# Altium PCB EPS.PcbDoc (part 3 of 10)
Units mm, origin at the board's own origin, x right, y up, seen from the top; angles counter-clockwise.
Board outline 90.25 x 93.64 mm, 8 copper layers (Top Layer, PGND, Power, Control Signals 1, Control Signals 2, Signal 1, Signal 2, Bottom Layer), stack 1.637 mm thick; 953 components, 561 nets, 2718 pads, 883 vias.
Unrouted connection lines stored in the file: 2.
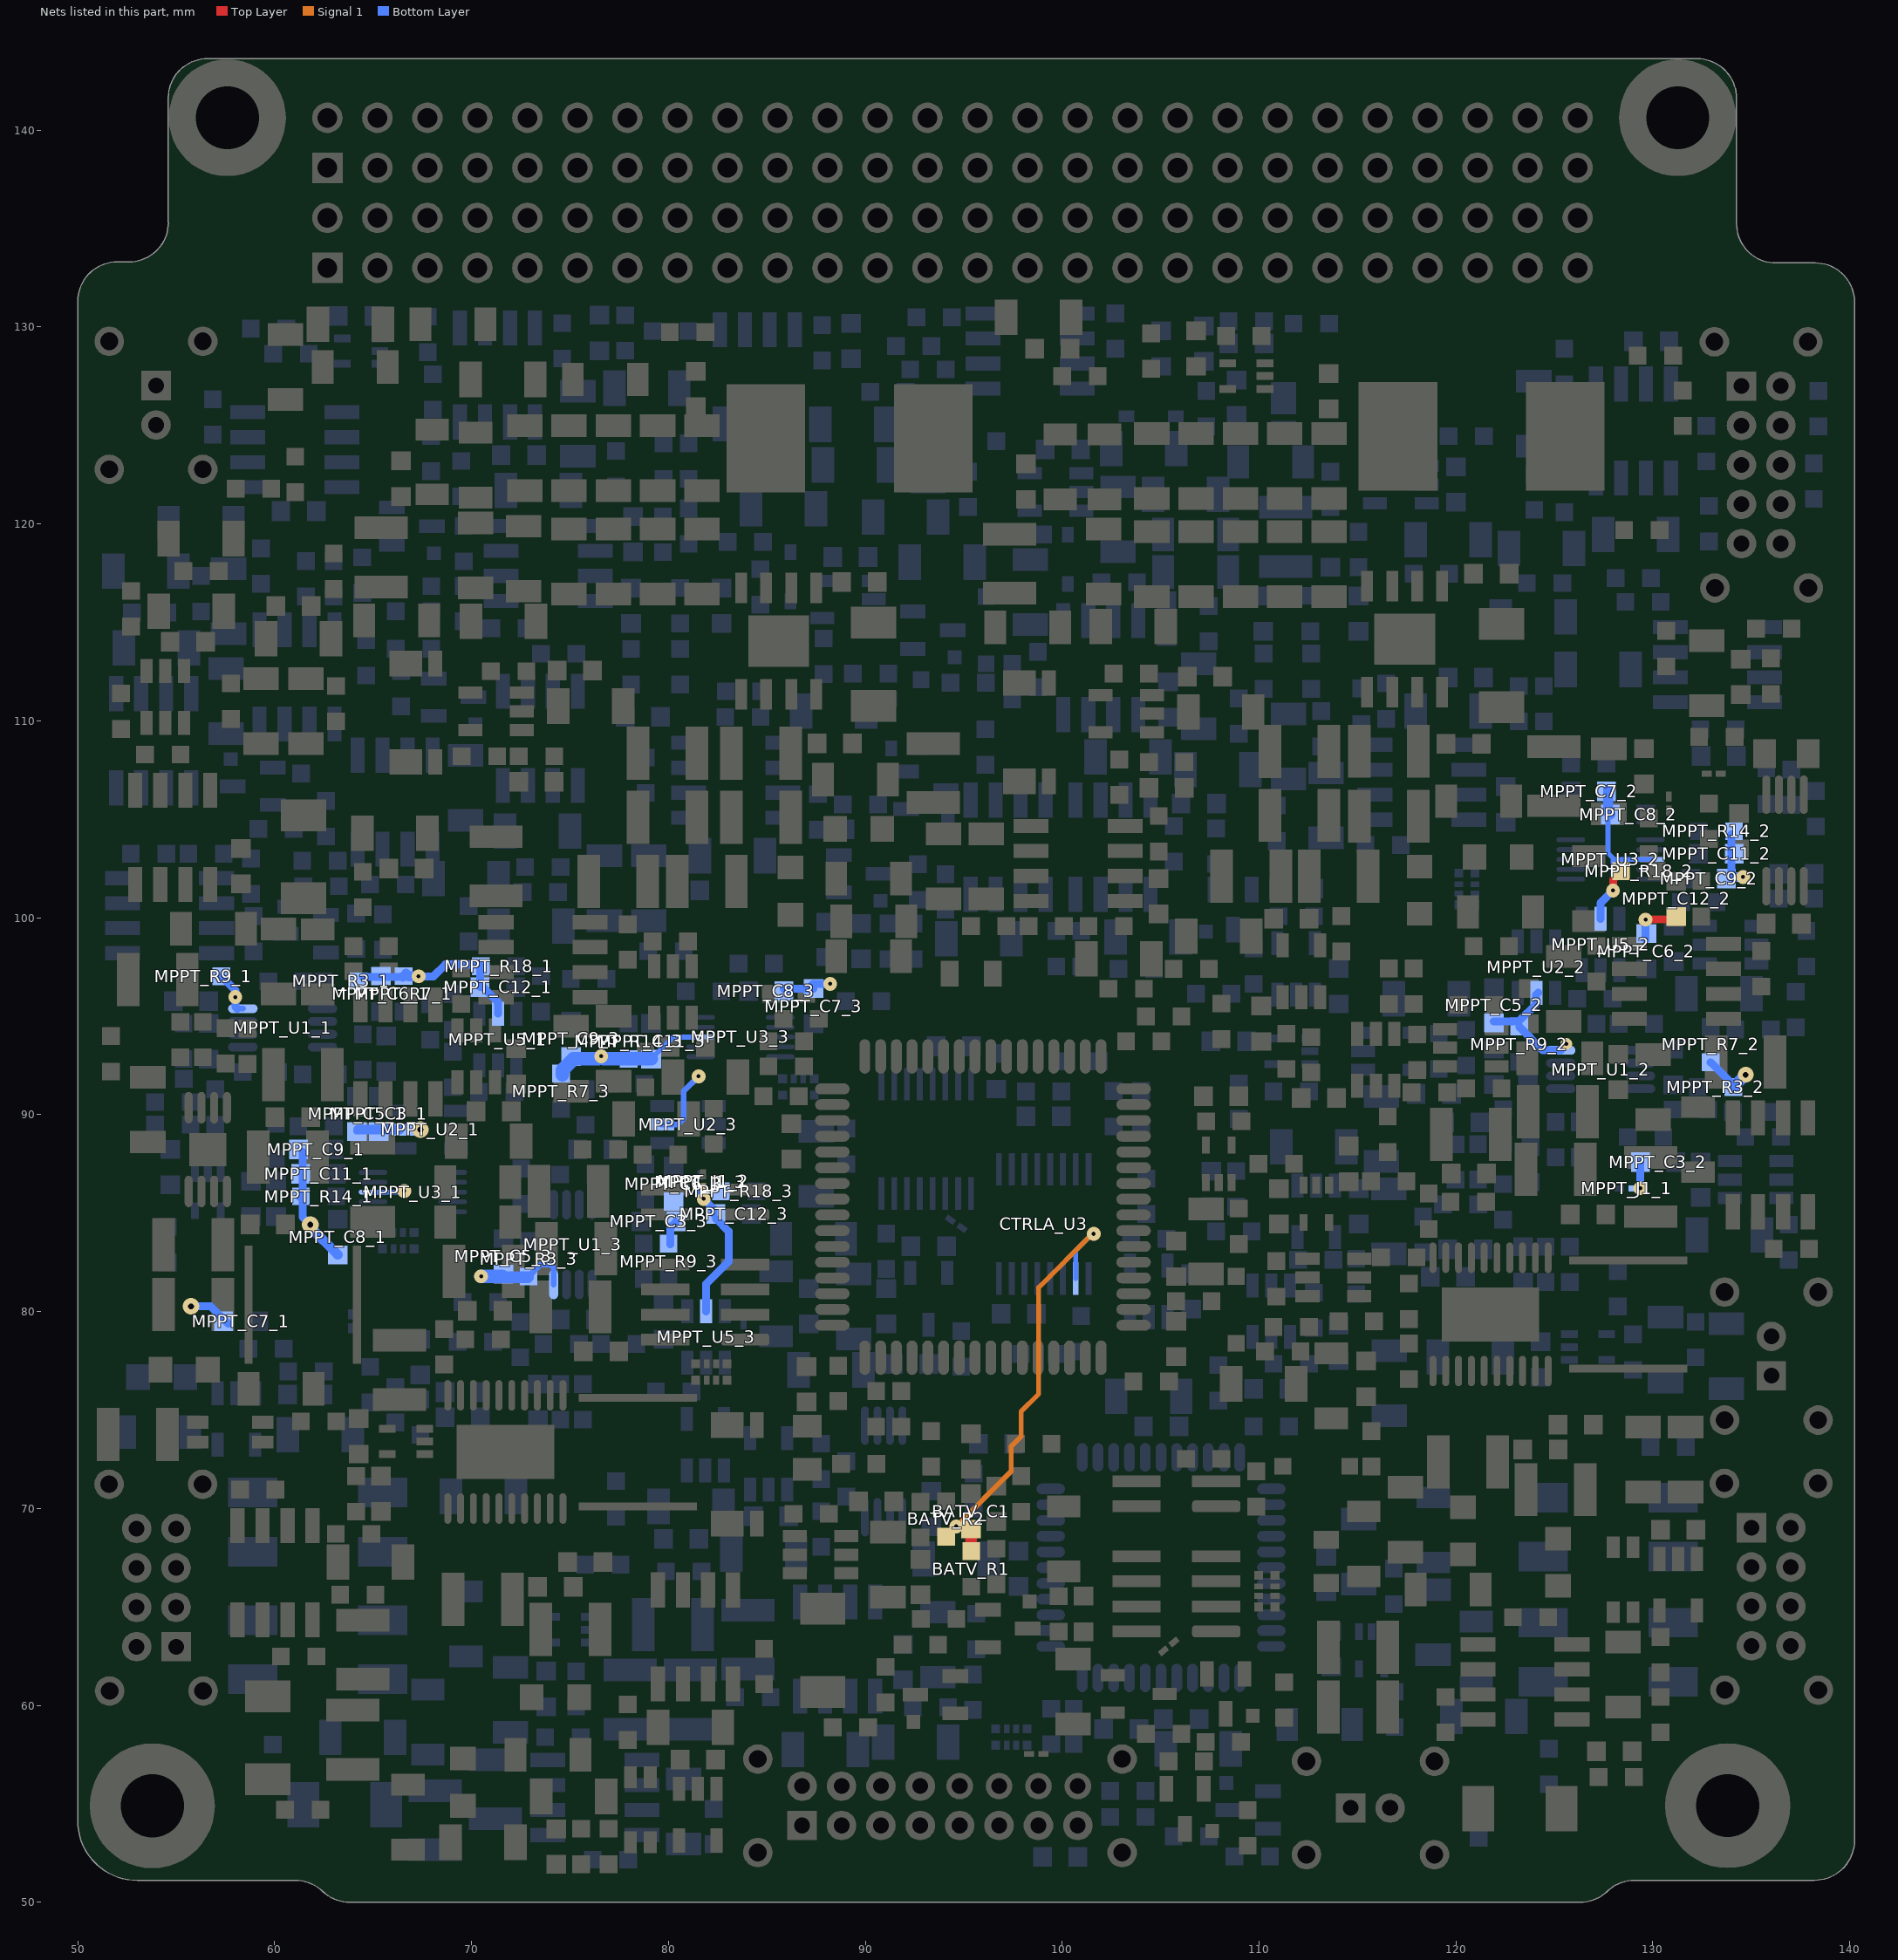
[diagram p9: the nets of this part, all layers, seen from the top]

## Components (designator, comment, footprint, x,y, rotation, side; value= is the part's Value field where it differs from the comment) (continued)
SUMPBY_C2_2 "100n/50V" SMD_Capacitor_0603 72.263,92.456 r270 top (schematic designator SUMPBY_C2)
SUMPBY_C3_1 "10u/16V" SMD_Capacitor_1206 133.731,77.724 r90 bottom (schematic designator SUMPBY_C3)
SUMPBY_C3_2 "10u/16V" SMD_Capacitor_1206 77.216,93.345 r270 top (schematic designator SUMPBY_C3)
SUMPBY_C4_1 "10u/16V" SMD_Capacitor_1206 130.645,78.067 r270 bottom (schematic designator SUMPBY_C4)
SUMPBY_C4_2 "10u/16V" SMD_Capacitor_1206 79.375,89.789 r0 top (schematic designator SUMPBY_C4)
SUMPBY_C5_1 "1u/25V" SMD_Capacitor_1206 133.883,83.896 r0 bottom (schematic designator SUMPBY_C5)
SUMPBY_C5_2 "1u/25V" SMD_Capacitor_1206 81.877,91.91 r0 top (schematic designator SUMPBY_C5)
SUMPBY_C6_1 "100n/50V" SMD_Capacitor_0603 132.423,86.703 r90 bottom (schematic designator SUMPBY_C6)
SUMPBY_C6_2 "100n/50V" SMD_Capacitor_0603 80.988,93.434 r0 top (schematic designator SUMPBY_C6)
SUMPBY_C7_1 "10u/25V" SMD_Capacitor_1210 134.709,92.672 r0 top (schematic designator SUMPBY_C7)
SUMPBY_C7_2 "10u/25V" SMD_Capacitor_1210 71.247,102.616 r90 top (schematic designator SUMPBY_C7)
SUMPBY_Q1_1 "IRF7416" SOIC-8-N_SSSGDDDD 131.191,96.774 r180 top (schematic designator SUMPBY_Q1)
SUMPBY_Q1_2 "IRF7416" SOIC-8-N_SSSGDDDD 66.256,93.18 r270 top (schematic designator SUMPBY_Q1)
SUMPBY_Q2_1 "IRF7416" SOIC-8-N_SSSGDDDD 135.979,87.465 r90 top (schematic designator SUMPBY_Q2)
SUMPBY_Q2_2 "IRF7416" SOIC-8-N_SSSGDDDD 73.622,97.879 r180 top (schematic designator SUMPBY_Q2)
SUMPBY_R1_1 "100k/1%" SMD_Resistor_0603 135.509,97.409 r90 top (schematic designator SUMPBY_R1)
SUMPBY_R1_2 "100k/1%" SMD_Resistor_0603 64.897,97.282 r180 top (schematic designator SUMPBY_R1)
SUMPBY_R2_1 "100k/1%" SMD_Resistor_0603 137.033,83.185 r0 top (schematic designator SUMPBY_R2)
SUMPBY_R2_2 "100k/1%" SMD_Resistor_0603 77.94,98.768 r90 top (schematic designator SUMPBY_R2)
SUMPBY_R3_1 "1M/1%" SMD_Resistor_0603 132.169,78.575 r90 bottom (schematic designator SUMPBY_R3)
SUMPBY_R3_2 "1M/1%" SMD_Resistor_0603 78.829,92.291 r270 top (schematic designator SUMPBY_R3)
SUMPBY_R4_1 "1k/1%" SMD_Resistor_0603 137.249,95.339 r270 bottom (schematic designator SUMPBY_R4)
SUMPBY_R4_2 "1k/1%" SMD_Resistor_0603 76.543,88.227 r0 top (schematic designator SUMPBY_R4)
SUMPBY_R5_1 "470k/1%" SMD_Resistor_0603 137.795,98.425 r90 bottom (schematic designator SUMPBY_R5)
SUMPBY_R5_2 "470k/1%" SMD_Resistor_0603 69.469,96.52 r270 top (schematic designator SUMPBY_R5)
SUMPBY_R6_1 "1k/1%" SMD_Resistor_0603 136.906,83.515 r270 bottom (schematic designator SUMPBY_R6)
SUMPBY_R6_2 "1k/1%" SMD_Resistor_0603 82.296,89.408 r270 top (schematic designator SUMPBY_R6)
SUMPBY_R7_1 "470k/1%" SMD_Resistor_0603 135.598,88.862 r0 bottom (schematic designator SUMPBY_R7)
SUMPBY_R7_2 "470k/1%" SMD_Resistor_0603 80.099,98.806 r0 top (schematic designator SUMPBY_R7)
SUMPBY_R8_1 "1M/1%" SMD_Resistor_0603 128.994,77.94 r270 bottom (schematic designator SUMPBY_R8)
SUMPBY_R8_2 "1M/1%" SMD_Resistor_0603 79.591,87.973 r0 top (schematic designator SUMPBY_R8)
SUMX_C1 "1u/25V" SMD_Capacitor_1206 64.859,67.272 r0 top
SUMX_C2 "10u/35V" SMD_Capacitor_1210 64.478,62.827 r90 top
SUMX_C3 "10u/35V" SMD_Capacitor_1210 63.97,58.255 r270 top
SUMX_D1 "STPS340U" DO-214AA 59.652,58.382 r270 top
SUMX_R1 "100k/1%" SMD_Resistor_0603 59.144,70.955 r0 top
SUMX_R2 "100k/1%" SMD_Resistor_0603 64.224,65.621 r180 top
SUMX_R3 "22k/1%" SMD_Resistor_0603 61.43,54.699 r0 top
SUMX_R4 "270k/1%" SMD_Resistor_0603 61.214,62.484 r0 top
SUMX_U1 "FPF2700MX" SOIC-8-N 60.033,66.764 r90 top
SUMY_C1_1 "1u/25V" SMD_Capacitor_1206 128.486,61.557 r270 top (schematic designator SUMY_C1)
SUMY_C1_2 "1u/25V" SMD_Capacitor_1206 80.772,54.61 r90 bottom (schematic designator SUMY_C1)
SUMY_C2_1 "10u/35V" SMD_Capacitor_1210 115.024,59.906 r180 top (schematic designator SUMY_C2)
SUMY_C2_2 "10u/35V" SMD_Capacitor_1210 71.209,55.739 r90 bottom (schematic designator SUMY_C2)
SUMY_C3_1 "10u/35V" SMD_Capacitor_1210 115.024,62.954 r180 top (schematic designator SUMY_C3)
SUMY_C3_2 "10u/35V" SMD_Capacitor_1210 68.161,54.167 r270 bottom (schematic designator SUMY_C3)
SUMY_D1_1 "STPS340U" DO-214AA 123.215,54.762 r0 top (schematic designator SUMY_D1)
SUMY_D1_2 "STPS340U" DO-214AA 63.589,54.953 r180 bottom (schematic designator SUMY_D1)
SUMY_R1_1 "100k/1%" SMD_Resistor_0603 130.391,62.573 r270 top (schematic designator SUMY_R1)
SUMY_R1_2 "100k/1%" SMD_Resistor_0603 82.296,53.848 r90 bottom (schematic designator SUMY_R1)
SUMY_R2_1 "100k/1%" SMD_Resistor_0603 123.787,64.478 r180 top (schematic designator SUMY_R2)
SUMY_R2_2 "100k/1%" SMD_Resistor_0603 77.051,52.159 r180 bottom (schematic designator SUMY_R2)
SUMY_R3_1 "22k/1%" SMD_Resistor_0603 124.714,56.896 r90 bottom (schematic designator SUMY_R3)
SUMY_R3_2 "22k/1%" SMD_Resistor_0603 59.906,57.112 r90 bottom (schematic designator SUMY_R3)
SUMY_R4_1 "270k/1%" SMD_Resistor_0603 119.469,59.525 r270 top (schematic designator SUMY_R4)
SUMY_R4_2 "270k/1%" SMD_Resistor_0603 74.638,58.382 r180 bottom (schematic designator SUMY_R4)
SUMY_U1_1 "FPF2700MX" SOIC-8-N 123.533,61.176 r0 top (schematic designator SUMY_U1)
SUMY_U1_2 "FPF2700MX" SOIC-8-N 76.289,55.334 r0 bottom (schematic designator SUMY_U1)
SUPP_C1_1 "100n/50V" SMD_Capacitor_0603 129.54,107.696 r90 top (schematic designator SUPP_C1)
SUPP_C1_2 "100n/50V" SMD_Capacitor_0603 115.443,76.581 r90 top (schematic designator SUPP_C1)
SUPP_C2_1 "10u/16V" SMD_Capacitor_1206 127.762,106.934 r90 top (schematic designator SUPP_C2)
SUPP_C2_2 "10u/16V" SMD_Capacitor_1206 116.611,76.352 r90 bottom (schematic designator SUPP_C2)
SUPP_C3_1 "100n/50V" SMD_Capacitor_0603 113.03,90.856 r0 top (schematic designator SUPP_C3)
SUPP_C3_2 "100n/50V" SMD_Capacitor_0603 110.998,85.344 r270 top (schematic designator SUPP_C3)
SUPP_C4_1 "100n/50V" SMD_Capacitor_0603 114.046,96.52 r90 bottom (schematic designator SUPP_C4)
SUPP_C4_2 "100n/50V" SMD_Capacitor_0603 110.109,94.615 r270 top (schematic designator SUPP_C4)
SUPP_C5_1 "100n/50V" SMD_Capacitor_0603 123.698,95.504 r90 top (schematic designator SUPP_C5)
SUPP_C5_2 "100n/50V" SMD_Capacitor_0603 110.617,76.073 r0 bottom (schematic designator SUPP_C5)
SUPP_C6_1 "10u/16V" SMD_Capacitor_1206 125.476,96.393 r90 top (schematic designator SUPP_C6)
SUPP_C6_2 "10u/16V" SMD_Capacitor_1206 110.236,76.327 r0 top (schematic designator SUPP_C6)
SUPP_C7_1 "10u/16V" SMD_Capacitor_1206 118.491,95.885 r0 bottom (schematic designator SUPP_C7)
SUPP_C7_2 "10u/16V" SMD_Capacitor_1206 112.776,88.367 r0 bottom (schematic designator SUPP_C7)
SUPP_C8_1 "100n/50V" SMD_Capacitor_0603 111.887,101.473 r180 bottom (schematic designator SUPP_C8)
SUPP_C8_2 "100n/50V" SMD_Capacitor_0603 111.633,99.949 r180 top (schematic designator SUPP_C8)
SUPP_C9_1 "10u/16V" SMD_Capacitor_1206 116.205,89.281 r270 bottom (schematic designator SUPP_C9)
SUPP_C9_2 "10u/16V" SMD_Capacitor_1206 116.586,84.582 r90 bottom (schematic designator SUPP_C9)
SUPP_C10_1 "100n/50V" SMD_Capacitor_0603 118.872,91.059 r180 bottom (schematic designator SUPP_C10)
SUPP_C10_2 "100n/50V" SMD_Capacitor_0603 115.062,85.344 r90 bottom (schematic designator SUPP_C10)
SUPP_C11_1 "100n/50V" SMD_Capacitor_0603 121.92,92.431 r270 bottom (schematic designator SUPP_C11)
SUPP_C11_2 "100n/50V" SMD_Capacitor_0603 114.046,78.41 r90 bottom (schematic designator SUPP_C11)
SUPP_R1_1 "1k" SMD_Resistor_0603 121.412,91.338 r180 top (schematic designator SUPP_R1)
SUPP_R1_2 "1k" SMD_Resistor_0603 112.776,80.061 r90 bottom (schematic designator SUPP_R1)
SUPP_R2_1 "10R" SMD_Resistor_0603 127.127,97.663 r90 top (schematic designator SUPP_R2)
SUPP_R2_2 "10R" SMD_Resistor_0603 111.201,77.978 r0 top (schematic designator SUPP_R2)
SUPP_R4_1 "51R" SMD_Resistor_0603 107.696,96.139 r180 bottom (schematic designator SUPP_R4)
SUPP_R4_2 "51R" SMD_Resistor_0603 111.379,93.218 r270 top (schematic designator SUPP_R4)
SUPP_R5_1 "100k/1%" SMD_Resistor_0603 111.887,100.076 r180 bottom (schematic designator SUPP_R5)
SUPP_R5_2 "100k/1%" SMD_Resistor_0603 114.173,99.187 r270 top (schematic designator SUPP_R5)
SUPP_R6_1 "22k/1%" SMD_Resistor_0603 119.126,93.218 r90 bottom (schematic designator SUPP_R6)
SUPP_R6_2 "22k/1%" SMD_Resistor_0603 112.878,82.626 r0 bottom (schematic designator SUPP_R6)
SUPP_R7_1 "100R" SMD_Resistor_0603 112.649,93.04 r90 top (schematic designator SUPP_R7)
SUPP_R7_2 "100R" SMD_Resistor_0603 117.094,82.753 r180 top (schematic designator SUPP_R7)
SUPP_R8_1 "4.7k/1%" SMD_Resistor_0603 118.034,93.167 r270 top (schematic designator SUPP_R8)
SUPP_R8_2 "4.7k/1%" SMD_Resistor_0603 110.871,81.661 r270 top (schematic designator SUPP_R8)
SUPP_R9_1 "100k" SMD_Resistor_0603 118.643,91.135 r180 top (schematic designator SUPP_R9)
SUPP_R9_2 "100k" SMD_Resistor_0603 111.633,79.223 r180 top (schematic designator SUPP_R9)
SUPP_R10_1 "33k/1%" SMD_Resistor_0603 109.728,97.536 r270 bottom (schematic designator SUPP_R10)
SUPP_R10_2 "33k/1%" SMD_Resistor_0603 108.077,94.742 r270 top (schematic designator SUPP_R10)
SUPP_R11_1 "13k/1%" SMD_Resistor_0603 120.523,93.396 r90 bottom (schematic designator SUPP_R11)
SUPP_R11_2 "13k/1%" SMD_Resistor_0603 114.935,81.788 r270 bottom (schematic designator SUPP_R11)
SUPP_R12_1 "75k/1%" SMD_Resistor_0603 121.031,95.58 r180 top (schematic designator SUPP_R12)
SUPP_R12_2 "75k/1%" SMD_Resistor_0603 111.633,77.343 r0 bottom (schematic designator SUPP_R12)
SUPP_R13_1 "220R" SMD_Resistor_0603 116.586,96.52 r90 top (schematic designator SUPP_R13)
SUPP_R13_2 "220R" SMD_Resistor_0603 117.602,77.47 r270 top (schematic designator SUPP_R13)
SUPP_R14_1 "100R" SMD_Resistor_0603 116.535,89.002 r270 top (schematic designator SUPP_R14)
SUPP_R14_2 "100R" SMD_Resistor_0603 114.935,79.502 r0 top (schematic designator SUPP_R14)
SUPP_R15_1 "10k" SMD_Resistor_0603 117.856,96.52 r270 top (schematic designator SUPP_R15)
SUPP_R15_2 "10k" SMD_Resistor_0603 117.602,80.518 r270 top (schematic designator SUPP_R15)
SUPP_U1_1 "LT1761ES5-SD#TRMPBF" SOT23-5 111.887,97.409 r90 bottom (schematic designator SUPP_U1)
SUPP_U1_2 "LT1761ES5-SD#TRMPBF" SOT23-5 112.141,97.282 r90 top (schematic designator SUPP_U1)
SUPP_U2_1 "LT1761ES5-SD#TRMPBF" SOT23-5 116.586,93.218 r0 bottom (schematic designator SUPP_U2)
SUPP_U2_2 "LT1761ES5-SD#TRMPBF" SOT23-5 112.903,85.09 r270 bottom (schematic designator SUPP_U2)
SUPP_U3_1 "TPS2551DBVx" SOT23-6 120.752,93.396 r0 top (schematic designator SUPP_U3)
SUPP_U3_2 "TPS2551DBVx" SOT23-6 110.617,80.01 r270 bottom (schematic designator SUPP_U3)
SUPP_U4_1 "TPS3813xxxDBV" SOT23-6 115.926,92.786 r270 top (schematic designator SUPP_U4)
SUPP_U4_2 "TPS3813xxxDBV" SOT23-6 113.767,81.737 r180 top (schematic designator SUPP_U4)
TEMP_C1_1 "100n/50V" SMD_Capacitor_0603 64.135,130.556 r180 bottom (schematic designator TEMP_C1)
TEMP_C1_2 "100n/50V" SMD_Capacitor_0603 106.807,128.905 r90 top (schematic designator TEMP_C1)
TEMP_C1_3 "100n/50V" SMD_Capacitor_0603 73.787,60.833 r270 bottom (schematic designator TEMP_C1)
TEMP_C1_4 "100n/50V" SMD_Capacitor_0603 108.077,90.932 r0 top (schematic designator TEMP_C1)
TEMP_C1_5 "100n/50V" SMD_Capacitor_0603 113.665,62.865 r90 bottom (schematic designator TEMP_C1)
TEMP_C1_6 "100n/50V" SMD_Capacitor_0603 108.458,93.726 r180 bottom (schematic designator TEMP_C1)
TEMP_C1_7 "100n/50V" SMD_Capacitor_0603 114.554,87.503 r90 top (schematic designator TEMP_C1)
TEMP_R1 "100R/1%" SMD_Resistor_0603 104.521,128.778 r90 top
TEMP_R1_1 "470R/1%" SMD_Resistor_0603 60.833,128.651 r180 bottom (schematic designator TEMP_R1)
TEMP_R1_2 "470R/1%" SMD_Resistor_0603 109.22,129.54 r180 top (schematic designator TEMP_R1)
TEMP_R1_3 "470R/1%" SMD_Resistor_0603 94.869,78.105 r90 bottom (schematic designator TEMP_R1)
TEMP_R1_4 "470R/1%" SMD_Resistor_0603 108.966,84.328 r270 top (schematic designator TEMP_R1)
TEMP_R1_5 "470R/1%" SMD_Resistor_0603 116.84,66.04 r90 bottom (schematic designator TEMP_R1)
TEMP_R1_6 "470R/1%" SMD_Resistor_0603 111.633,91.186 r180 bottom (schematic designator TEMP_R1)
TEMP_R1_7 "470R/1%" SMD_Resistor_0603 110.871,87.503 r180 top (schematic designator TEMP_R1)
TEMP_R2 "100R/1%" SMD_Resistor_0603 75.311,60.833 r270 bottom
TEMP_R4 "100R/1%" SMD_Resistor_0603 59.69,129.921 r180 bottom
TEMP_R5_1 "100R/1%" SMD_Resistor_0603 108.966,90.678 r270 bottom (schematic designator TEMP_R5)
TEMP_R5_2 "100R/1%" SMD_Resistor_0603 116.586,86.614 r0 top (schematic designator TEMP_R5)
TEMP_U1_1 "LMT87" SC70-LT5_N 64.389,128.778 r180 bottom (schematic designator TEMP_U1)
TEMP_U1_2 "LMT87" SC70-LT5_N 109.347,127.508 r180 top (schematic designator TEMP_U1)
TEMP_U1_3 "LMT87" SC70-LT5_N 75.019,63.843 r180 bottom (schematic designator TEMP_U1)
TEMP_U1_4 "LMT87" SC70-LT5_N 107.95,87.503 r90 top (schematic designator TEMP_U1)
TEMP_U1_5 "LMT87" SC70-LT5_N 115.712,62.799 r270 bottom (schematic designator TEMP_U1)
TEMP_U1_6 "LMT87" SC70-LT5_N 111.633,93.218 r180 bottom (schematic designator TEMP_U1)
TEMP_U1_7 "LMT87" SC70-LT5_N 112.903,85.471 r270 top (schematic designator TEMP_U1)
U4 "ATmega128L-8Ax" 64A_N 95.974,85.306 r90 top

## Footprints (in the part's own frame and the unit in brackets; to place one, negate y for a bottom-side part, rotate by r counter-clockwise, add the part's x,y. Pads: shape width x height; smd on the part's side, far side on the other; paste and mask are expansions set on the pad)
2way_LP [mil] "2 way low power net tie junction"
  rrect5% 20x12 smd paste-100: 1(-14,0) 2(14,0)
64A_N [mm] "Thin QFP, 64-Leads, Body 14x14mm, Pitch 0.8mm, IPC Medium Density"
  oval 1.75x0.55 smd: 1(-7.65,6) 2(-7.65,5.2) 3(-7.65,4.4) 4(-7.65,3.6) 5(-7.65,2.8) 6(-7.65,2) 7(-7.65,1.2) 8(-7.65,0.4) 9(-7.65,-0.4) 10(-7.65,-1.2) 11(-7.65,-2) 12(-7.65,-2.8) 13(-7.65,-3.6) 14(-7.65,-4.4) 15(-7.65,-5.2) 16(-7.65,-6) 33(7.65,-6) 34(7.65,-5.2) 35(7.65,-4.4) 36(7.65,-3.6) 37(7.65,-2.8) 38(7.65,-2) 39(7.65,-1.2) 40(7.65,-0.4) 41(7.65,0.4) 42(7.65,1.2) 43(7.65,2) 44(7.65,2.8) 45(7.65,3.6) 46(7.65,4.4) 47(7.65,5.2) 48(7.65,6)
  oval 0.55x1.75 smd: 17(-6,-7.65) 18(-5.2,-7.65) 19(-4.4,-7.65) 20(-3.6,-7.65) 21(-2.8,-7.65) 22(-2,-7.65) 23(-1.2,-7.65) 24(-0.4,-7.65) 25(0.4,-7.65) 26(1.2,-7.65) 27(2,-7.65) 28(2.8,-7.65) 29(3.6,-7.65) 30(4.4,-7.65) 31(5.2,-7.65) 32(6,-7.65) 49(6,7.65) 50(5.2,7.65) 51(4.4,7.65) 52(3.6,7.65) 53(2.8,7.65) 54(2,7.65) 55(1.2,7.65) 56(0.4,7.65) 57(-0.4,7.65) 58(-1.2,7.65) 59(-2,7.65) 60(-2.8,7.65) 61(-3.6,7.65) 62(-4.4,7.65) 63(-5.2,7.65) 64(-6,7.65)
  silkscreen extent -7.77,-6.35 6.35,6.95, body extent -8.12,-8.12 8.12,8.12, height 1.35
1206 [mm] "SMD Inductor, Inch 1206, Metric 3216."
  rect 1.1x1.7 smd: 1(-1.65,0) 2(1.65,0)
  silkscreen extent -0.9,-0.85 0.9,0.85, body extent -1.6,-0.8 1.6,0.8, height 1.28
Coilcraft_MSS1260 [mm] "Coilcraft Shielded Power Inductors – MSS1260 Series."
  rect 5.5x4 smd: 1(0,4.25) 2(0,-4.25)
  silkscreen extent -6.2,-6.2 6.2,6.2, body extent -6.15,-6.15 6.15,6.15, height 6.15
Coilcraft_MSS6132 [mm] "Coilcraft Shielded Power Inductors – MSS6132 Series."
  rect 6x0.4 smd: 1(0,2.75) 2(0,-2.75)
  Top Layer region: 3,-1 2.185,-0.993 1.521,-1.856 0.544,-2.337 -0.544,-2.337 -1.521,-1.856 -2.185,-0.993 -2.185,-0.993 -3,-1 -3,-3 3,-3
  Top Layer region: -3,1 -2.185,0.993 -1.521,1.856 -0.544,2.337 0.544,2.337 1.521,1.856 2.185,0.993 2.185,0.993 3,1 3,3 -3,3
  silkscreen extent -3.25,-3.2 3.25,3.2, body extent -3,-2.97 3,3, height 3.2
Connfly_DS1031-04-2 [mm] "Connfly, male, 1.27mm, 2x2pin, SMT, vertical"
  rrect50% 0.6x2.45 smd: 1(0,0)
  rect 0.6x2.45 smd: 2(0,4.05) 3(1.27,0) 4(1.27,4.05)
  silkscreen extent -0.65,0.3 1.9,3.75, body extent -0.65,-0.75 1.89,4.75, height 4.47
Connfly_DS1031-08-2 [mm] "Connfly, male, 1.27mm, 2x4pin, SMT, vertical"
  rrect50% 0.6x2.45 smd: 1(0,0)
  rect 0.6x2.45 smd: 2(0,4.05) 3(1.27,0) 4(1.27,4.05) 5(2.54,0) 6(2.54,4.05) 7(3.81,0) 8(3.81,4.05)
  silkscreen extent -0.65,0.3 4.45,3.75, body extent -0.64,-0.75 4.44,4.75, height 4.47
DDA-9 [mm] "Created for TPS5430. 9-pin package with thermal pad."
  rect 1.55x0.6 smd: 1(-2.7,1.905) 2(-2.7,0.635) 3(-2.7,-0.635) 4(-2.7,-1.905) 5(2.7,-1.905) 6(2.7,-0.635) 7(2.7,0.635) 8(2.7,1.905)
  rect 2.6x3.1 smd: 9(0,0)
  silkscreen extent -1,-2.5 1,2.49, body extent -3.1,-2.5 3.1,2.5, height 1.58
DO-214AA [mm] "JEDEC standard. SMB."
  rect 1.62x2.3 smd: A(2.14,-0.01) K(-2.08,-0.01)
  silkscreen extent -2.75,-2 2.8,2, body extent -2.76,-1.98 2.82,1.96, height 2.65
Harwin_Datamate_L-Tek_M80-8531642 [mm] "Harwin Datamate L-Teck M80-8531642, 2mm pitch, 2x8pin."
  round 1.5 hole 0.9: 0(-2.25,-1.375) 0(-2.25,3.375) 0(16.25,3.375) 0(16.25,-1.375)
  rect 1.5x1.5 hole 0.8: 1(0,0)
  round 1.5 hole 0.8: 2(2,0) 3(4,0) 4(6,0) 5(8,0) 6(10,0) 7(12,0) 8(14,0) 9(0,2) 10(2,2) 11(4,2) 12(6,2)
  round 1.35 hole 0.8: 13(8,2) 14(10,2) 15(12,2) 16(14,2)
  silkscreen extent -2.9,-1.7 16.9,4, body extent -2.95,-1.78 16.95,4.07, height 8.3
Harwin_Datamate_L-Tek_M80-8670805 [mm] "Harwin Datamate L-Teck M80-8670805, 2mm pitch, 2x4pin."
  round 1.5 hole 0.9: 0(-2.25,3.375) 0(-2.25,-1.375) 0(8.25,-1.35) 0(8.25,3.4)
  rect 1.5x1.5 hole 0.8: 1(0,0)
  round 1.5 hole 0.8: 2(2,0) 3(4,0) 4(6,0) 5(0,2) 6(2,2) 7(4,2) 8(6,2)
  silkscreen extent -2.9,-1.7 8.9,4, body extent -2.95,-1.77 8.95,4.08, height 8.3
Harwin_Datamate_L-Tek_M80-8671005 [mm] "Harwin Datamate L-Teck M80-8671005, 2mm pitch, 2x5pin."
  round 1.5 hole 0.9: 0(-2.25,3.375) 0(-2.25,-1.375) 0(10.25,-1.35) 0(10.25,3.4)
  rect 1.5x1.5 hole 0.8: 1(0,0)
  round 1.5 hole 0.8: 2(2,0) 3(4,0) 4(6,0) 5(8,0) 6(0,2) 7(2,2) 8(4,2) 9(6,2) 10(8,2)
  silkscreen extent -2.9,-1.7 10.9,4, body extent -2.94,-1.78 10.96,4.07, height 8.3
Harwin_Datamate_L-Tek_M80-8770222 [mm] "Harwin Datamate L-Teck M80-8770222, 2mm pitch, 1x2pin."
  round 1.5 hole 0.9: 0(-2.25,-2.375) 0(-2.25,2.375) 0(4.25,-2.375) 0(4.25,2.375)
  rect 1.5x1.5 hole 0.8: 1(0,0)
  round 1.5 hole 0.8: 2(2,0)
  silkscreen extent -2.9,-2 4.9,2.2, body extent -2.95,-1.77 4.95,2.08, height 8.3
LCC1-4_BEC [mm] "Hermetic Leadless Chip Carrier Number 1, 4 Pads, Base-Emitter-Collector"
  rect 0.7x1.3 smd: B(-0.95,0.3) C(0,2.325) E(0.95,0.3)
  rect 0.7x0.7 smd: Shield(-1.375,2.425)
  silkscreen extent -1.58,0 1.58,2.65, body extent -1.53,0.05 1.53,2.6, height 1.4
LCC1-4_GSD [mm] "Hermetic Leadless Chip Carrier Number 1, 4 Pads, Gate-Source-Dren"
  rect 0.7x1.3 smd: D(0,2.325) G(-0.95,0.3) S(0.95,0.3)
  rect 0.7x0.7 smd: Shield(-1.375,2.425)
  silkscreen extent -1.58,0 1.58,2.65, body extent -1.53,0.05 1.52,2.6, height 1.4
LT-FE-20-EPV-CA_N [mm] "SOP, 20-Leads, Body 6.6x4.5mm, Pitch 0.65mm, Thermal Pad 4.95x2.74mm, IPC Medium Density"
  oval 1.55x0.35 smd: 1(-2.875,2.925) 2(-2.875,2.275) 3(-2.875,1.625) 4(-2.875,0.975) 5(-2.875,0.325) 6(-2.875,-0.325) 7(-2.875,-0.975) 8(-2.875,-1.625) 9(-2.875,-2.275) 10(-2.875,-2.925) 11(2.875,-2.925) 12(2.875,-2.275) 13(2.875,-1.625) 14(2.875,-0.975) 15(2.875,-0.325) 16(2.875,0.325) 17(2.875,0.975) 18(2.875,1.625) 19(2.875,2.275) 20(2.875,2.925)
  rect 2.74x4.95 smd: 21(0,0)
  silkscreen extent -3,-3.3 1.7,3.78, body extent -3.27,-3.3 3.27,3.3, height 1.2
LT-MS8E-8-1880X1680TP_N [mm] "SOP, 8-Leads, Body 3x3mm, Pitch 0.65mm, Thermal Pad 1.88x1.68mm, IPC Medium Density"
  oval 1.6x0.4 smd: 1(-2.125,0.975) 2(-2.125,0.325) 3(-2.125,-0.325) 4(-2.125,-0.975) 5(2.125,-0.975) 6(2.125,-0.325) 7(2.125,0.325) 8(2.125,0.975)
  rect 1.68x1.88 smd: 9(0,0)
  silkscreen extent -2.25,-1.55 0.92,1.85, body extent -2.45,-1.5 2.45,1.5, height 1.15
MSOP-8 [mm] "MSOP, 8-Leads, Body 3x3mm, Pitch 0.65mm, IPC High Density"
  oval 1.5x0.45 smd: 1(-2.025,0.975) 2(-2.025,0.325) 3(-2.025,-0.325) 4(-2.025,-0.975) 5(2.025,-0.975) 6(2.025,-0.325) 7(2.025,0.325) 8(2.025,0.975)
  silkscreen extent -2.15,-1.6 0.87,1.87, body extent -2.47,-1.55 2.47,1.55, height 1.1
MUB10A_L [mm] "TSSOP, 10-Leads, Body 3x3mm, Pitch 0.5mm, IPC High Density"
  oval 1.45x0.25 smd: 1(-2.025,1) 2(-2.025,0.5) 3(-2.025,0) 4(-2.025,-0.5) 5(-2.025,-1) 6(2.025,-1) 7(2.025,-0.5) 8(2.025,0) 9(2.025,0.5) 10(2.025,1)
  silkscreen extent -2.15,-1.55 0.9,1.8, body extent -2.5,-1.5 2.5,1.5, height 1.1
PC-104_PcbMntHole_M3#1 [mm] "PCB Mounting Hole for PC-104 standard. Based on Pumpkin's Kit."
  round 5.95 hole 3.2: 1(0,0)
PC-104_PcbMntHole_M3#2 [mm] "PCB Mounting Hole for PC-104 standard. Based on Pumpkin's Kit."
  round 6.35 hole 3.2: 1(0,0)
Samtec_ESQ-126-39-G-D [mm] "Samtec ESQ Series Header. ESQ-126-39-G-D. PC-104 Stack."
  rect 1.55x1.55 hole 1: 1(0,0)
  round 1.55 hole 1: 2(0,2.54) 3(2.54,0) 4(2.54,2.54) 5(5.08,0) 6(5.08,2.54) 7(7.62,0) 8(7.62,2.54) 9(10.16,0) 10(10.16,2.54) 11(12.7,0) 12(12.7,2.54) 13(15.24,0) 14(15.24,2.54) 15(17.78,0) 16(17.78,2.54) 17(20.32,0) 18(20.32,2.54) 19(22.86,0) 20(22.86,2.54) 21(25.4,0) 22(25.4,2.54) 23(27.94,0) 24(27.94,2.54) 25(30.48,0) 26(30.48,2.54) 27(33.02,0) 28(33.02,2.54) 29(35.56,0) 30(35.56,2.54) 31(38.1,0) 32(38.1,2.54) 33(40.64,0) 34(40.64,2.54) 35(43.18,0) 36(43.18,2.54) 37(45.72,0) 38(45.72,2.54) 39(48.26,0) 40(48.26,2.54) 41(50.8,0) 42(50.8,2.54) 43(53.34,0) 44(53.34,2.54) 45(55.88,0) 46(55.88,2.54) 47(58.42,0) 48(58.42,2.54) 49(60.96,0) 50(60.96,2.54) 51(63.5,0) 52(63.5,2.54)